# KiCad board Lime_RFE.kicad_pcb (continued)
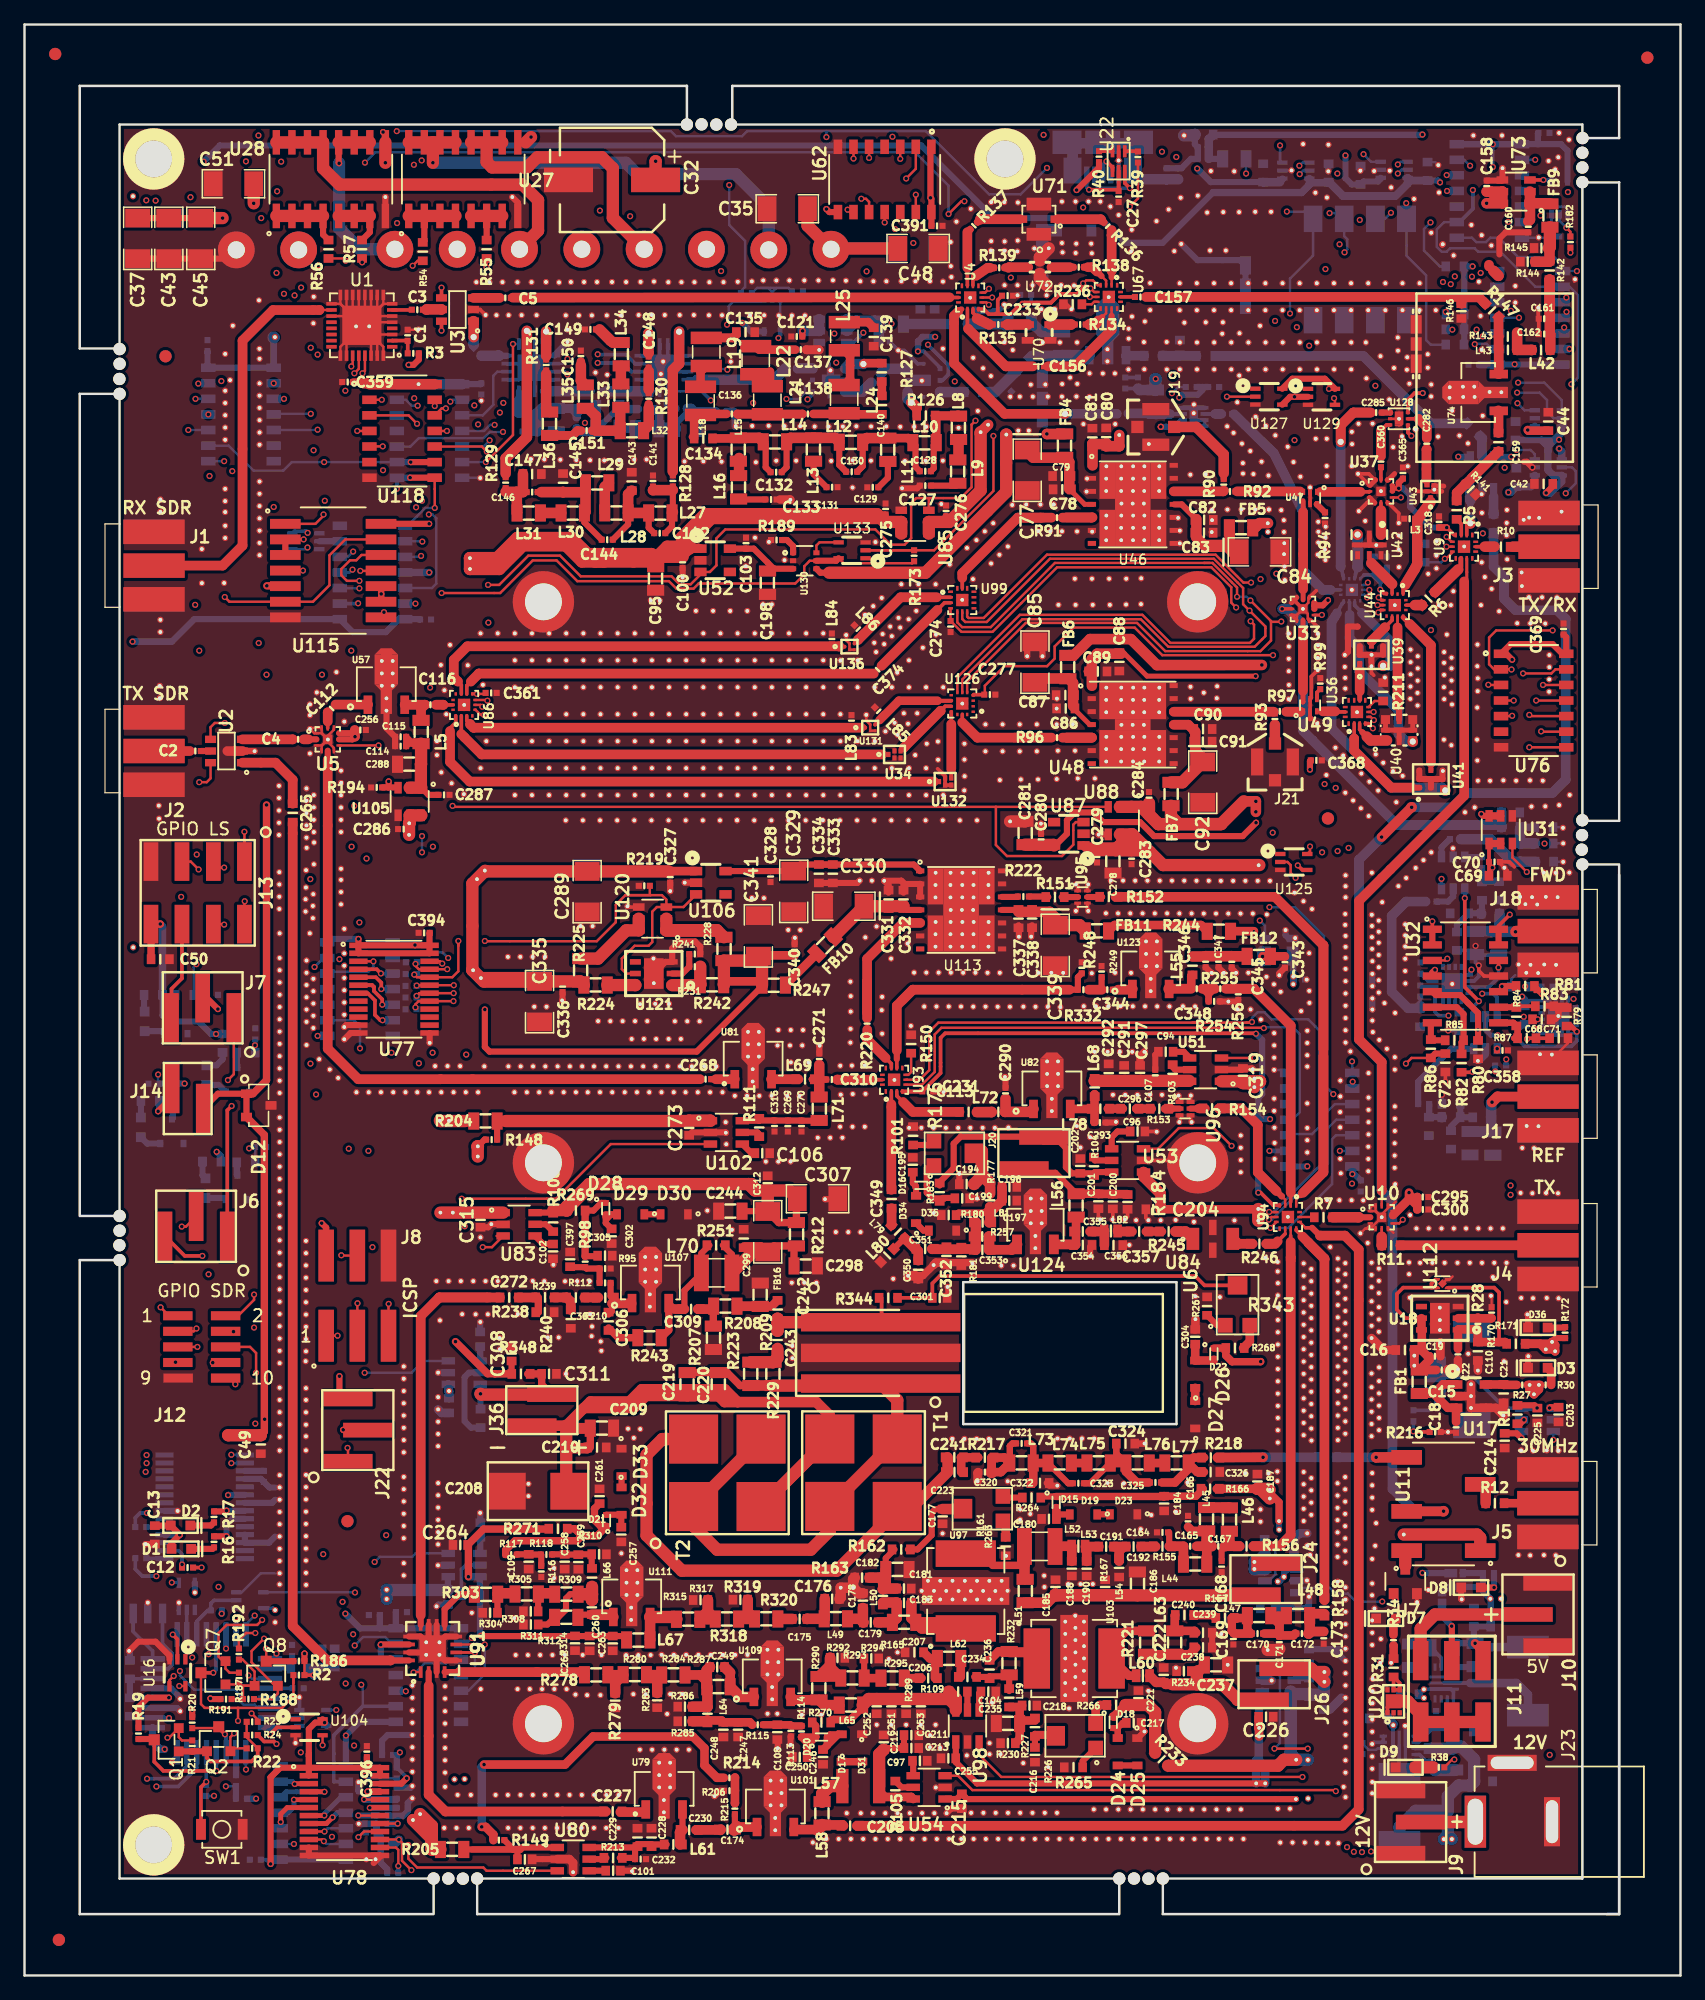
[diagram p0: board, top side]
## Routing (per net, layer and track width the routed paths; a pad name or vN(x,y) marks a point on that pad's centre or on a via; arc(x,y) is an arc through that point) (continued)
  SIG2 w0.2: v1(24.48,120.19) 24.43,120.24 24.43,138.22 24.4,138.22 24.43,138.25 24.43,138.88 v1(23.94,139.37) ; v1(27.88,91.03) 27.88,83.97 27.35,83.43 v1(27.35,75.56) 27.35,73.53 27.55,73.33 27.55,70.58 27.35,70.38 27.35,56.15 28.01,55.49 28.01,50.16 27.09,49.25 27.09,46.91 26.94,46.76 v1(26.94,31.21) 26.94,30.15 27.6,29.48 27.6,23.85 v1(27.45,23.69) ; v1(108.27,72.84) 107.76,72.33 106.22,72.33 105.78,72.77 v1(105.78,91.54) 105.78,92.78 105.32,93.24 105.32,96.43 v1(105.99,97.1) ; 32.4,116.89 v1(32.43,116.86) ; 32.4,116.89 v1(32.43,116.86) ; 32.4,116.89 v1(32.4,120.19) 32.4,120.54 32.12,120.82 32.12,122.7 v1(31.49,123.34) ; v1(32.43,116.86) 32.4,116.84 v1(32.43,116.86) ; v1(32.43,116.86) 33.09,116.2 33.09,115.18 32.4,114.5 32.4,113.79 32.83,113.36 32.83,111.02 32.4,110.59 v1(32.4,92.86)
  B w0.2: 25.21,15.79 25.22,15.8 U92.9 ; v1(123.64,101.39) 123.64,101.37 123.67,101.37 ; v1(126.1,129.69) 126.64,130.22 126.64,136.95 125.95,137.64 U119.9 123.16,137.64 120.31,140.48 118.51,140.48 118.23,140.76 116.22,140.76 115.94,140.48 115.54,140.48 115.13,140.89 115.13,142.29 115.74,142.9 U68.9 ; v1(27.35,75.56) 27.35,77.36 26.87,77.85 U75.9 ; U90.9 108.27,72.3 v1(108.27,72.84) ; U117.9 16.63,124.68 18.66,122.65 21.1,122.65 21.79,123.34 v1(24.43,123.34) U60.9 ; v1(32.43,116.86) 32.4,116.89 U116.9 ; v1(26.94,31.21) 26.93,31.23 U14.4 ; v1(27.45,23.69) 27.58,23.57 27.58,21.94 ; v1(32.4,91.54) v1(32.4,92.86)
  B w0.3: U92.9 26.2,15.79 25.21,15.79 25.21,19.58 27.58,21.94 U89.9 ; v1(118.08,145.51) 118.08,143.99 116.98,142.9 U68.9
  B w0.5: U60.9 v1(31.49,123.34)
/FAN/FAN_POWER_5V: length 11
  T w0.5: C225.1 123.11,46.47 R1.2
  B w0.3: U110.6 120.68,46.23 118.15,48.76 P1.2
  B w0.5: v1(123.31,46.25) 123.29,46.23 U110.6
/FAN_EN: length 133.5
  SIG1 w0.2: 110.23,13.89 109.48,13.89 ; 109.48,13.89 106.57,13.89 105.5,14.96 75.25,14.96 74.44,14.14 65.19,14.14 61.51,17.83 56.63,17.83 55.26,19.2 46.3,19.2 44.26,17.17 38.75,17.17 36.85,19.07 33.6,19.07 32.48,20.19 32.48,22.68 32,23.16 v1(31.08,23.16) ; 109.48,13.89 112.29,13.89 113.77,15.38 119.08,15.38 119.92,16.21 123.58,16.21 124.34,16.98 v1(124.34,17.98)
  SIG2 w0.2: v1(124.34,17.98) 125.25,17.98 126.13,18.85 126.13,43.02 125.49,43.66 v1(124.63,43.66)
  B w0.2: v1(124.63,43.66) 124.64,43.66 U110.3 ; v1(31.08,23.16) 31.03,23.21 U89.10
/FAN_SENSE: length 133.1
  T w0.3: v1(113.23,44.34) 113.28,44.29 R216.2
  SIG1 w0.3: v1(113.23,44.34) 113.25,44.34 v1(113.23,44.34) ; v1(113.23,44.34) 113.23,43.2 113.1,43.07 108.65,43.07 107.79,42.21 102.02,42.21 101.26,42.97 92.7,42.97 91.43,41.7 37.05,41.7 ; 37.05,41.7 35.25,41.7 35.2,41.65 ; 37.05,41.7 18.05,41.7 17.39,41.04 v1(9.87,41.04)
  SIG2 w0.3: v1(11.78,20.98) 11.24,21.51 11.24,23.23 11.42,23.41 11.42,40.53 10.91,41.04 v1(9.87,41.04)
  B w0.3: v1(11.78,20.98) 11.76,21 U12.2 ; R235.2 v1(113.23,44.34)
/GAMMA_DB: length 109.5
  T w0.2: v1(112.62,74.32) 113.08,74.78 R86.2 ; v1(16.58,72.97) 17.06,73.45 J7.1
  T w0.5: R86.2 115.01,75.13 C72.1
  SIG1 w0.2: 102.35,72.89 104.26,72.89 105.21,73.85 108.88,73.85 109.35,74.32 v1(112.62,74.32) ; 102.35,72.89 101.72,72.89 101.54,73.07 ; 102.35,72.89 101.57,72.89 100.25,71.57 96.31,71.57 94.86,73.02 81.04,73.02 79.49,71.47 70.33,71.47 69.41,72.39 57.96,72.39 57.64,72.7 27.11,72.7 26.26,71.85 24.92,71.85 24.39,72.39 19.98,72.39 19.4,72.97 v1(16.58,72.97)
/GPIO4: length 40.3
  T w0.2: 18.73,22.53 18.75,22.51 ; v1(19.53,27.45) 18.51,26.44 18.51,25.52 20.42,23.61 Q8.S 20.65,22.99 20.19,22.53 R188.1 ; v1(14.09,51.23) J12.5
  SIG1 w0.2: v1(15,26.18) 16.02,27.2 19.27,27.2 v1(19.53,27.45)
  SIG2 w0.2: v1(15,26.18) 14.88,26.31 14.88,32.37 15.05,32.55 15.05,33.75 14.09,34.72 v1(14.09,51.23)
/GPIO5: length 43.1
  T w0.2: v1(26.33,43) 26.37,42.96 J22.1 ; v1(19.37,28.98) 18.97,28.57 16.48,28.57 15.82,27.91 15.82,25.98 16.17,25.62 Q7.S 16.39,25 16.71,24.68 R187.1 ; v1(18.88,49.12) 18.88,50.73 18.38,51.23 J12.6
  T w0.5: Q7.S 16.54,25.62
  SIG1 w0.2: v1(18.81,44.98) 18.81,44.42 19.88,43.35 23.88,43.35 24.24,43 v1(26.33,43)
  SIG2 w0.2: v1(19.37,28.98) 19.37,44.42 v1(18.81,44.98) 18.88,45.04 v1(18.88,49.12)
/GPIO_ADC1: length 37.3
  T w0.2: v1(14.19,90.14) 13.55,90.78 J13.3
  T w0.3: J6.3 13.06,58.64 v1(14.5,58.64)
  SIG2 w0.2: v1(14.5,58.64) 14.65,58.8 14.65,75.55 14.36,75.84 14.36,78.34 14.65,78.63 14.65,82.93 14.19,83.38 v1(14.19,90.14)
/GPIO_ADC2: length 8
  T w0.3: J13.6 12.84,81.27 11.98,80.41 J7.3
/GPIO_Subsystem/DIR_GPIO0: length 29
  SIG1 w0.2: v1(115.87,135.58) 115.87,135.89 115.46,136.29 103.61,136.29 103.17,135.85 v1(103.17,135.45)
  SIG2 w0.2: v1(103.95,146.81) 102.91,145.77 v1(102.91,143.76)
  B w0.2: v1(102.91,143.76) 104.45,143.76 SW2.1 105.05,140.18 103.17,138.3 v1(103.17,135.45) ; v1(103.95,146.81) 104.25,147.1 U23.5
/GPIO_Subsystem/DIR_GPIO1: length 36
  SIG1 w0.2: v1(118.71,138.76) 118.71,139.52 118.26,139.97 117.62,139.97 117.11,139.47 115.14,139.47 114.18,140.43 v1(107.61,140.43) ; v1(107.03,146.86) 107.69,146.2 111.3,146.2 v1(111.96,146.86) ; v1(118.38,134.13) v1(116.4,134.13)
  SIG2 w0.2: v1(118.38,134.13) 118.13,134.39 118.13,135.48 119.14,136.5 119.14,138.32 v1(118.71,138.76) ; v1(116.4,134.13) 116.38,134.13 ; v1(106.39,143.63) 106.65,143.63 107.03,144.01 v1(107.03,146.86)
  B w0.2: v1(107.61,140.43) 107.84,140.66 107.84,141.5 107.59,141.75 SW2.2 107.12,143.63 v1(106.39,143.63) ; R59.1 115.88,134.13 v1(116.4,134.13) ; 112.26,147.16 v1(111.96,146.86) 112.26,147.16 ; 112.26,147.16 U24.5 ; 112.26,147.16 112.95,147.16
/GPIO_Subsystem/DIR_GPIO2: length 36.9
  SIG1 w0.2: v1(120.95,142.92) 119.04,142.92 118.15,142.03 116.86,142.03 116.02,142.87 v1(114.62,142.87) 112.18,142.87 v1(111.4,143.66)
  SIG2 w0.2: v1(120.95,142.92) 120.52,142.49 120.52,129.81 121.33,129 v1(121.68,129)
  B w0.2: v1(121.68,129) 123.51,129 124.12,128.39 124.12,127.45 124.67,126.91 125.52,126.91 ; v1(111.4,143.66) 110.9,143.16 SW2.3 ; v1(114.62,142.87) 114.09,142.34 114.09,140.58 115.38,139.29 R60.1
/GPIO_Subsystem/DIR_GPIO3: length 51.6
  SIG1 w0.2: v1(112.64,144.45) 113.66,143.43 v1(123.59,143.43)
  SIG2 w0.2: v1(123.59,143.43) 123.59,143.35 124.71,142.24 124.71,130.09 125.65,129.15 v1(125.65,120.8)
  B w0.2: v1(125.65,120.8) 126.46,121.61 126.46,122.6 126.15,122.91 125.52,122.91 ; R61.1 114.64,132.91 114.27,133.28 114.27,138.55 112.67,140.15 SW2.4 112.64,143.19 v1(112.64,144.45)
/GPIO_Subsystem/GPIO0: length 221.5
  T w0.2: v1(31.64,139.34) 32.05,139.75 R54.2 ; v1(11.09,54.45) 11.78,53.77 J12.1 11.75,53.77
  SIG1 w0.2: v1(13.05,72.69) 14.42,71.32 21.23,71.32 21.71,71.8 v1(23.77,71.8) ; v1(20.54,138.76) 31.06,138.76 v1(31.64,139.34) ; v1(93.9,148.2) 94.73,148.2 95.06,148.53 101.74,148.53 v1(102.35,149.14)
  SIG2 w0.2: v1(83.08,150.01) 93.59,150.01 93.9,149.7 v1(93.9,148.2) ; 20.78,109.43 20.36,109.85 20.36,114.12 19.8,114.68 19.8,137.21 20.54,137.94 v1(20.54,138.76) 20.54,143.38 21.2,144.04 21.2,147.54 v1(20.92,147.82) ; 20.78,109.43 20.87,109.34 ; 20.78,109.43 21.71,108.5 21.71,72.84 22.75,71.8 v1(23.77,71.8) ; v1(11.09,54.45) 11.35,54.71 11.35,72.97 v1(10.89,73.43)
  PWR w0.2: v1(20.92,147.82) 22.83,149.73 30.88,149.73 31.51,150.36 49.46,150.36 50.22,149.6 61.11,149.6 61.87,150.36 73.27,150.36 78.48,145.16 81.58,145.16 82.8,146.38 82.8,147.65 83.08,147.93 v1(83.08,150.01)
  B w0.2: 12.03,72.68 R46.2 12.12,72.69 ; v1(10.89,73.43) 10.89,72.8 R42.1 ; U23.3 102.35,147.94 v1(102.35,149.14) 102.35,148.05 102.35,148.05
  B w0.3: 12.03,72.68 R46.2
  B w0.5: R42.1 12.03,72.68 R46.2 12.12,72.69 v1(13.05,72.69)
/GPIO_Subsystem/GPIO0_LS: length 154.8
  T w0.2: v1(17.93,93.21) J13.1
  SIG1 w0.2: v1(18.05,147.85) 18.64,148.43 27.73,148.43 29.36,146.81 33.5,146.81 35.32,148.64 71.72,148.64 77.18,143.18 82.39,143.18 85.31,146.1 86.07,146.1 86.28,145.89 86.28,145.31 86.5,145.08 90.9,145.08 91.55,145.74 100.93,145.74 102.94,147.75 103.68,147.75 v1(103.93,147.49)
  SIG2 w0.2: v1(18.05,147.85) 16.35,147.85 15.18,146.68 15.18,138.81 17.49,136.5 17.49,109.88 17.93,109.44 17.93,102.66 17.35,102.09 17.35,96.13 17.93,95.56 v1(17.93,93.21)
  B w0.2: v1(103.93,147.49) 104.19,147.75 U23.4
/GPIO_Subsystem/GPIO1: length 199.6
  T w0.2: v1(37.66,139.21) 37.67,139.23 R55.2 ; v1(18.71,55.49) 18.71,55.06 17.42,53.77 J12.2
  SIG1 w0.2: v1(70.96,142.34) 69.59,142.34 69.06,142.87 39.11,142.87 37.66,141.42 v1(37.66,139.21) ; 80.36,143.88 78.58,143.88 72.61,149.86 v1(70.76,149.86) ; 80.36,143.88 80.69,143.88 ; 80.36,143.88 82.16,143.88 85.64,147.37 92.19,147.37 93.72,148.89 99.71,148.89 100.58,149.75 107.84,149.75 v1(109.16,148.43) ; v1(19.09,108.59) 33.61,108.59 35.27,110.26 v1(37.81,110.26)
  SIG2 w0.2: v1(70.76,149.86) 70.76,146.76 70.96,146.55 v1(70.96,142.34) ; v1(19.09,108.59) 19.09,102.27 18.13,101.3 18.13,99.33 19.06,98.41 19.06,87.68 18.79,87.41 v1(18.79,75.81) 19.12,75.48 19.12,66.62 18.71,66.21 v1(18.71,55.49) ; v1(37.66,139.21) 37.38,138.93 37.38,135.97 37.09,135.68 37.09,134.08 37.34,133.83 37.34,129.59 37.85,129.08 37.85,128.28 37.34,127.77 37.34,127.05 37.44,126.94 37.44,126.07 36.63,125.26 36.63,123.48 38.37,121.74 38.37,110.82 v1(37.81,110.26)
  B w0.2: R43.1 18.79,76.27 v1(18.79,75.81) 18.79,75.23 R50.2 ; v1(109.16,148.43) 109.78,147.81 U24.3
/GPIO_Subsystem/GPIO1_LS: length 169.1
  T w0.2: v1(17.95,87.55) 17.93,87.52 J13.8
  SIG1 w0.2: v1(19.07,149.96) 20.21,148.81 29.46,148.81 31.16,147.11 33.38,147.11 35.31,149.04 72.13,149.04 76.11,145.06 76.91,145.06 78.38,143.58 82.29,143.58 85.73,147.02 94.57,147.02 95.73,148.18 106.06,148.18 106.65,147.59 v1(111.96,147.59)
  SIG2 w0.2: v1(19.07,149.96) 19.07,147.85 18.48,147.26 16.58,147.26 15.54,146.22 15.54,139.26 17.79,137.01 17.79,110.24 18.53,109.49 18.53,102.69 17.77,101.93 17.77,96.45 18.55,95.68 18.55,88.15 v1(17.95,87.55)
  B w0.2: v1(111.96,147.59) 112.17,147.81 U24.4
/GPIO_Subsystem/GPIO2: length 213.7
  T w0.2: v1(26.18,139.75) 25.99,139.94 R56.2 ; v1(14.01,52.73) 13.78,52.5 J12.3
  SIG1 w0.2: 74.59,135.81 76.62,133.78 77.44,133.78 79.33,131.88 80.83,131.88 80.99,132.04 88.87,132.04 ; 74.59,135.81 74.47,135.94 ; 74.59,135.81 74.26,136.14 43.25,136.14 42.99,135.89 42.99,135.28 41.92,134.2 41.92,132.93 40.54,131.54 34.77,131.54 32.38,129.15 v1(26.15,129.15) ; v1(14.01,82.42) 21.02,82.42 21.94,83.33 25.16,83.33 v1(25.67,82.82) ; 88.87,132.04 89.19,131.72 96.96,131.72 97.67,131.02 97.67,130.76 98.72,129.71 100.08,129.71 102.29,127.5 106.69,127.5 107.65,128.47 110.41,128.47 111.14,129.2 111.8,129.2 112.53,128.47 114.08,128.47 114.52,128.02 121.59,128.02 v1(121.71,128.14) ; 88.87,132.04 88.71,132.04
  SIG2 w0.2: v1(26.18,139.75) 26.15,139.72 26.15,132.53 25.82,132.2 25.82,130.07 26.15,129.74 v1(26.15,129.15) 26.15,115.59 24.82,114.26 24.82,104.88 25.44,104.26 25.44,99.12 25.15,98.83 25.15,83.35 v1(25.67,82.82) ; v1(14.01,82.42) v1(14.01,52.73)
  B w0.2: v1(14.01,82.42) 13.79,82.19 R47.2 ; v1(121.71,128.14) 122.29,127.56 U25.3
  B w0.5: R47.2 R44.1
/GPIO_Subsystem/GPIO2_LS: length 169.6
  T w0.2: v1(16.27,90.29) 15.89,90.29 J13.2
  SIG1 w0.2: 118.81,130.35 119.35,129.81 v1(121.76,129.81) ; 118.81,130.35 112.09,130.35 114.41,130.35 ; 118.81,130.35 114.41,130.35 ; 114.41,130.35 110.75,130.35 109.26,131.84 100.05,131.84 99.66,132.24 89.62,132.24 88.84,133.02 87.92,133.02 87.49,132.58 82.14,132.58 80.02,134.69 76.37,134.69 74.62,136.44 42.64,136.44 42.28,136.09 42.28,135.1 41.62,134.44 41.62,133.24 40.28,131.9 34.31,131.9 32.78,130.37 30.7,130.37 30.09,129.76 25.27,129.76 24.22,130.81 16.35,130.81 16.05,130.5 v1(16.05,129.94)
  SIG2 w0.2: v1(16.27,90.29) 15.72,90.85 15.72,114.69 16.3,115.27 16.3,116.29 15.72,116.87 15.72,129.61 v1(16.05,129.94)
  B w0.2: v1(121.76,129.81) 123.89,129.81 125.32,128.38 U25.4
/GPIO_Subsystem/GPIO3: length 244.7
  T w0.2: v1(75.33,143.56) 76.37,144.6 v1(76.62,144.6) ; 27.51,139.63 v1(27.53,139.62) R57.2 27.51,139.63
  T w0.5: v1(25.98,44.47) 26,44.45 J22.2
  SIG1 w0.2: 26.43,67.41 27.83,67.41 v1(28.03,67.2) ; 26.43,67.41 v1(26.43,67.38) ; 26.43,67.41 v1(26.43,67.38) ; 26.43,67.41 v1(26.43,67.38) ; 26.43,67.41 v1(18.31,67.41) ; v1(93.64,130.37) 97.53,130.37 98.6,129.31 99.84,129.31 101.98,127.17 107.5,127.17 108.31,127.99 113.89,127.99 114.7,127.17 115.74,127.17 116.39,126.52 117.46,126.52 119.65,124.33 v1(121.63,124.33)
  SIG2 w0.2: v1(76.62,144.6) 77.21,145.18 82.24,145.18 85.69,148.64 v1(92.73,148.64) 92.27,148.18 92.27,143.86 92.94,143.19 92.94,138.73 93.64,138.02 v1(93.64,130.37) ; 28.29,139.39 28.29,147.21 v1(27.75,147.75) ; 28.29,139.39 28.29,137.54 29.56,136.27 29.56,130.09 28.59,129.13 28.59,113.18 27.96,112.54 27.96,96.07 28.31,95.72 28.31,91.64 28.52,91.44 28.52,83.94 27.78,83.21 27.78,76.02 28.03,75.76 28.03,73.78 28.54,73.27 28.54,69.74 28.03,69.24 v1(28.03,67.2) ; 28.29,139.39 27.75,139.39 v1(27.53,139.62) ; v1(26.43,67.38) 26.69,67.13 26.69,51.84 26.23,51.38 26.23,48.13 25.98,47.87 v1(25.98,44.47)
  B w0.2: v1(27.75,147.75) 28.59,148.59 72.61,148.59 75.33,145.87 v1(75.33,143.56) ; U26.3 123.12,123.98 122.78,124.33 v1(121.63,124.33) ; v1(18.31,67.41) 18.43,67.53 R45.1 18.81,66.27 R51.2
/GPIO_Subsystem/GPIO3_CONN: length 15.6
  T w0.2: v1(17.04,52.47) 17.01,52.5 J12.4
  T w0.5: v1(25.67,48.84) 25.67,47.42 26.1,46.99 J22.3 26.03,47.33
  SIG1 w0.2: v1(17.04,52.47) 17.04,49.5 18.08,48.46 19.27,48.46 19.65,48.84 v1(25.67,48.84)
/GPIO_Subsystem/GPIO3_LS: length 152.3
  T w0.2: v1(16.27,85.64) 16.23,85.69 J13.7
  SIG1 w0.2: v1(120.67,122.88) 116.3,122.88 115.64,123.54 104.46,123.54 102.63,121.71 98.75,121.71 96.94,123.52 86.91,123.52 85.23,121.84 65.52,121.84 64.97,121.28 40.82,121.28 40.19,120.65 36.09,120.65 35.45,121.28 31.41,121.28 30.96,121.74 29.58,121.74 29.1,121.25 17.87,121.25 16.93,122.19 v1(16.93,122.6)
  SIG2 w0.2: v1(16.27,85.64) 16.93,86.3 v1(16.93,122.6) ; v1(120.67,122.88) 121.43,122.88 122.93,124.38 125.06,124.38 v1(125.11,124.43)
  B w0.6: v1(125.11,124.43) 125.32,124.22 U26.4
/GPIO_Subsystem/RELAY_0: length 54.5
  T w1: U27.13 U27.14 33.29,149.4 ; 33.29,149.4 U27.15 U27.16 ; 33.29,149.4 v1(33.29,147.73)
  B w0.5: 49.03,147.73 49.95,146.81 57.98,146.81 60.67,144.12 J16.7
  B w1: J16.7 60.67,144.12 57.98,146.81 49.95,146.81 49.03,147.73 v1(33.29,147.73)
/GPIO_Subsystem/RELAY_1: length 23
  T w1: U27.11 U27.10 ; U27.11 U27.12 ; U27.11 37.67,147.8 38.12,147.35 40.98,147.35 41.8,148.18 47.07,148.18 47.96,147.29 47.96,143.24 J16.5
/GPIO_Subsystem/RELAY_2: length 31.7
  T w0.3: U28.15 U28.14 U28.13
  T w1: J16.3 41.86,142.2 41.86,144.69 40.59,145.96 25.67,145.96 24.34,147.29 U28.13 U28.14 U28.15 U28.16
/GPIO_Subsystem/RELAY_3: length 14.8
  T w0.5: v1(25.65,147.7) 25.61,147.73 U28.12
  T w1: U28.10 U28.11 U28.12
  B w1: v1(25.65,147.7) 25.65,142.39 27.35,140.69 J16.1
/LNA_EN: length 281.9
  T w0.2: R182.1 v1(126.03,140.41)
  SIG1 w0.2: v1(13.53,144.93) 13.84,145.23 19.42,145.23 19.8,144.85 26.92,144.85 ; 26.92,144.85 28.24,144.85 ; 26.92,144.85 28.44,144.85 29.02,144.27 45.33,144.27 47.01,145.94 69.31,145.94 74.82,140.43 ; 106.52,141.63 89.1,141.63 87.2,139.73 76.67,139.73 75.96,140.43 74.82,140.43 ; 106.52,141.63 107.31,141.63 ; 106.52,141.63 113.66,141.63 114.93,140.36 115.79,140.36 116.3,140.86 118.79,140.86 119.37,141.45 122.65,141.45 123.69,140.41 v1(126.03,140.41) ; 74.82,140.43 69.33,145.92 v1(57.45,145.92)
  SIG2 w0.2: v1(13.53,144.93) 12.87,144.27 12.87,135.69 13.93,134.63 13.93,131.25 12.87,130.19 12.87,127.71 12.51,127.35 12.51,121.17 12.87,120.81 12.87,91.28 13.53,90.62 13.53,32.74 13.18,32.38 13.18,19.76 11.85,18.44 v1(11.42,18.44)
  B w0.2: v1(57.45,145.92) 57.45,142.67 58.74,141.37 58.74,137.61 58.39,137.26 R175.1
  B w0.6: v1(11.42,18.44) 11.07,18.44 10.44,19.06 U12.1
/MCU/DATA_5V: length 2
  B w0.3: U12.10 U15.2
/MCU/DATA_CLK_5V: length 2.5
  T w0.3: v1(12.08,27.78) 12.46,27.4 U16.2
  B w0.3: v1(12.08,27.78) 12.1,27.8 U12.9
/MCU/DATA_RESET_5V: length 5.3
  B w0.3: U14.2 15.45,30.58 15.19,30.32 R18.1 14.94,29.75 14.04,28.85 U12.11
/MCU/GPIO4_MCU: length 7.7
  T w0.2: v1(19.68,26.64) 19.7,26.61 Q8.D
  T w0.5: R186.1 21.9,25.61 Q8.D
  SIG1 w0.2: v1(19.68,26.64) v1(16.43,26.64)
  B w0.2: v1(16.43,26.64) U12.14
/MCU/GPIO5_MCU: length 26
  T w0.2: Q7.D 14.39,22.12 14.69,21.81 17.4,21.81 ; 17.4,21.81 20.99,21.81 21.92,22.74 R2.1 21.92,23.81 ; 17.4,21.81 v1(17.4,20.75)
  T w0.3: Q7.D v1(15.39,24.67)
  SIG2 w0.2: v1(18.88,14.41) 18.88,19.27 v1(17.4,20.75)
  B w0.3: v1(15.39,24.67) 15.61,24.9 U12.13
  B w0.5: R100.2 v1(18.88,14.41)
/MCU/MISO: length 33.8
  T w0.2: J8.1 24.59,52.14 v1(25.52,52.14)
  SIG1 w0.2: v1(25.52,52.14) 23.98,52.14 23.73,52.4 19.12,52.4 v1(18.71,52.8)
  SIG2 w0.2: v1(18.71,52.8) 18.2,52.29 18.2,44.42 18.76,43.86 v1(18.76,29.33)
  B w0.2: v1(18.76,29.33) 18.05,28.62 U12.16
/MCU/MOSI: length 41
  T w0.2: v1(25.82,58.69) 25.85,58.67 J8.4
  SIG1 w0.2: v1(17.24,29.18) 18.51,30.45 v1(25.93,30.45)
  SIG2 w0.2: v1(25.93,30.45) 25.42,30.96 25.42,47.46 25.21,47.67 25.21,51.07 26.13,51.99 26.13,52.65 25.82,52.95 v1(25.82,58.69)
  B w0.2: v1(17.24,29.18) U12.15
/MCU/RESET: length 63.2
  T w0.2: v1(29.69,54.73) 29.67,54.72 J8.5
  T w0.3: v1(14.81,15.78) 14.38,15.35 SW1.2 ; C12.1 v1(14.43,33.24)
  SIG1 w0.2: v1(29.48,35.89) 28.62,35.02 24.19,35.02 ; 24.1,35.02 24.19,35.02 ; 24.19,35.02 24.03,35.02 23.29,34.28 15.47,34.28 v1(14.43,33.24)
  SIG2 w0.2: v1(29.48,35.89) 28.97,36.39 28.97,49.5 29.69,50.21 v1(29.69,54.73)
  SIG2 w0.3: v1(14.81,15.78) 14.43,16.16 v1(14.43,33.24)
  B w0.3: U12.29 14.81,18.18 v1(14.81,15.78) R13.2
/MCU/RX: length 1.5
  B w0.3: U13.1 11.38,34.01 R15.1
/MCU/RX_SW_0_MCU: length 2.9
  T w0.3: v1(20.02,19.66) 20.59,20.23 U104.2
  B w0.3: v1(20.02,19.66) 20.01,19.67 U12.24
/MCU/RX_SW_1_MCU: length 2.4
  B w0.3: U12.23 U108.2
/MCU/SCK: length 38.8
  T w0.2: v1(27.15,54.78) 27.13,54.77 J8.3
  SIG1 w0.2: v1(20.54,26.23) 20.54,27.1 21.25,27.81 v1(26.79,27.81)
  SIG2 w0.2: 26.48,30.09 26.54,30.04 ; 26.48,30.09 26.79,29.79 v1(26.79,27.81) ; 26.48,30.09 26.48,30.6 25.82,31.26 25.82,43.51 26.48,44.17 26.48,47.01 26.64,47.16 26.64,50.47 27.15,50.97 v1(27.15,54.78)
  B w0.2: v1(20.54,26.23) 20.12,25.81 U12.17
/MCU/SCL_MCU: length 10
  T w0.3: v1(15.64,16.67) 11.32,16.67 10.57,17.42 Q1.D
  T w0.5: Q1.D 10.52,19.27 R19.1
  B w0.3: v1(15.64,16.67) 15.63,16.68 U12.28
/MCU/SDA_MCU: length 4.5
  T w0.2: Q2.D 15.71,20.16 R20.1
  T w0.3: v1(16.34,19.66) 15.83,20.16 Q2.D
  B w0.3: v1(16.34,19.66) 16.43,19.56 U12.27
/MCU/TX: length 1.5
  B w0.3: U13.5 11.39,36.55 R14.1
/PA_ENn: length 19.9
  SIG1 w0.2: v1(27.75,16.28) 26.66,17.37 v1(12.02,17.37)
  B w0.2: v1(27.75,16.28) 27.98,16.06 R168.1
  B w0.5: v1(12.02,17.37) 12.43,17.78 U12.32
/PFWDF_DB: length 125
  T w0.3: v1(122.49,76.32) 122.55,76.39 R87.2 C71.1 ; v1(16.88,70.86) 16.53,70.51 J6.1
  SIG1 w0.3: 115.36,72.31 118.4,72.31 118.96,72.87 118.96,74.15 119.28,74.47 120.15,74.47 120.52,74.1 121.87,74.1 122.49,74.72 v1(122.49,76.32) ; 115.36,72.31 114.8,72.31 ; 115.36,72.31 108.86,72.31 108.68,72.13 107.61,72.13 107.38,72.36 101.69,72.36 100,70.66 92.54,70.66 92.19,71.01 85.31,71.01 84.19,69.9 82.8,69.9 81.81,70.89 69.91,70.89 69.08,70.06 61.33,70.06 60.51,70.89 16.91,70.89 v1(16.88,70.86)
/RX_H/f4/IN: length 3.9
  T w0.2: 87.85,135.15 88.17,135.47 U67.9 ; 87.25,134.55 86.81,134.55
  T w0.5: 86.81,134.55 87.25,134.55 R134.2 ; 87.85,135.15 87.55,134.85
  T w0.86: 87.55,134.85 87.25,134.55 86.81,134.55 86.97,134.55
/RX_H/f5/IN: length 4.5
  T w0.2: U67.2 88.62,138.4
  T w0.5: 88.62,138.4 88.62,138.9
  T w0.79: 88.62,138.9 88.62,141.82 88.62,141.83 R136.2
/RX_H/f6/IN: length 3.4
  T w0.2: 87.8,138.5 88.17,138.12 U67.3 ; 87.08,139.22 86.69,139.22
  T w0.5: 87.8,138.5 87.42,138.88
  T w0.6: R138.2 87.08,139.22
  T w0.79: 87.42,138.88 87.08,139.22 86.69,139.22
/RX_H/FSEL_OUT_V2_2V5: length 42.6
  T w0.2: v1(86.9,137.5) 87.2,137.2 U67.5
  SIG1 w0.2: v1(86.9,137.5) 87,137.6 89.51,137.6 90.38,138.48 99.15,138.48 100.81,140.14 106.39,140.14 107.56,138.97 114.42,138.97 114.91,138.48 v1(116.6,138.48)
  SIG2 w0.2: v1(115.94,146.73) 116.88,146.73 117.29,146.32 117.29,139.67 116.6,138.98 v1(116.6,138.48)
  B w0.2: U68.12 116.74,146.73 v1(115.94,146.73)
/RX_H/FSEL_OUT_V3_2V5: length 40.5
  T w0.2: U67.6 v1(86.85,136.8)
  SIG1 w0.2: v1(86.85,136.8) 87.35,136.3 89.7,136.3 90.53,137.13 99.86,137.13 100.42,137.69 100.42,138.12 101.85,139.55 106.45,139.55 107.44,138.57 114.17,138.57 114.71,138.02 v1(115.64,138.02)
  SIG2 w0.2: v1(115.97,145.44) 116.4,145 116.4,141.02 115.64,140.25 v1(115.64,138.02)
  B w0.2: U68.11 v1(115.97,145.44)
/RX_H/LNA_EN_2V5: length 4.2
  B w0.2: U69.1 125.79,143.95 125.57,144.17 U68.5
/RX_H/LNA_H/LNA_EN: length 2
  T w0.3: v1(123.82,146.33) U73.3
  B w0.2: 124.38,146.33 U69.4
  B w0.3: U69.4 124.38,146.33 v1(123.82,146.33)
/RX_H/LNA_H/RF_OUT: length 28.5
  T w0.79: 117.4,136.76 117.37,136.8 C157.2 ; 117.4,136.76 117.14,136.5 R146.2 ; 117.4,136.76 118.58,136.76 R147.1
/RX_H/RF_0_OUT: length 4.6
  T w0.3: 76.87,137.75 76.86,137.76 76.86,139.18
  T w0.6: R137.1 76.86,142.07
  T w0.79: 76.86,142.07 76.86,139.18
/RX_H/RF_1_OUT: length 3.7
  T w0.3: 78.51,139.17 77.57,138.52 77.32,138.43 77.32,137.75
  T w0.6: R139.1 78.71,139.17
  T w0.79: 77.57,138.52 78.51,139.17 78.71,139.17
/RX_H/RF_2_OUT: length 2.5
  T w0.3: 77.93,134.9 77.32,135.51 77.32,135.8
  T w0.5: R135.1 78.63,134.55
  T w0.86: 77.65,135.03 78.63,134.55
/RX_H/RF_3_OUT: length 8.2
  T w0.3: 76.93,134.2 76.93,134.34 76.87,134.41 U4.2
  T w0.79: 76.94,134.19 76.93,134.2 79.99,131.14 C156.1
/RX_H/RF_IN: length 8.5
  T w0.79: R141.2 116.76,120.83 R5.2 ; 117.5,121.55 C159.2 118.01,122.06 117.99,122.06
  T w0.86: R141.2 117.5,121.55
/RX_L/f1/IN: length 14.1
  T w0.5: 52.84,122.58 52.85,122.57 R128.1
  T w0.86: 52.84,122.58 52.84,130.84 53.36,131.36 TRANS_VIA#9.1
  B w0.2: TRANS_VIA#9.1 53.09,133.69 53.09,132.96
  B w0.86: 53.36,132.9 TRANS_VIA#9.1
/RX_L/f1/OUT: length 13.7
  T w0.5: R129.2 39.22,122.41
  T w0.86: 39.22,122.41 39.22,123.64 40.95,125.37 TRANS_VIA#12.1
  B w0.4: 40.95,133.66 40.95,133.66 40.95,132.96
  B w0.86: 40.95,133.66 TRANS_VIA#12.1
/RX_L/f2/IN: length 5.4
  T w0.5: TRANS_VIA#10.1 50.88,133.81 R130.1
  T w0.86: 50.88,132.24 50.86,132.26 TRANS_VIA#10.1
  B w0.2: TRANS_VIA#10.1 51.14,133.56 51.14,132.96
  B w0.86: 50.86,132.91 TRANS_VIA#10.1
/RX_L/f2/OUT: length 4.5
  T w0.5: 42.52,132 42.53,132 R131.2
  T w0.86: 42.52,132 TRANS_VIA#11.1
  B w0.3: TRANS_VIA#11.1 42.25,133.71 42.25,132.96
  B w0.86: 42.52,132.91 42.52,133.97
/RX_L/f3/IN: length 1.9
  B w0.5: R132.1 52.84,127.71 ; 52.44,128.38 U59.2
  B w0.7: 52.44,128.38 52.44,128.1 52.84,127.71
/RX_L/f3/OUT: length 2.2
  B w0.5: 40.33,127.35 40.3,127.39 40.33,127.35 ; 40.33,127.35 R133.2 ; U58.12 40.3,128.33
  B w0.86: 40.33,127.35 40.3,127.39 40.3,128.33
/RX_L/FSEL_IN_V1_2V5: length 13
  T w0.2: v1(37.61,123.34) 39.82,125.55 v1(39.82,132.96)
  B w0.2: v1(39.82,132.96) 39.83,132.96 40.3,132.96 ; v1(37.61,123.34) U60.6
/RX_L/FSEL_IN_V2_2V5: length 14.5
  T w0.2: v1(44.26,131.75) 44.26,131.75
  SIG2 w0.2: v1(38.32,126.37) 42.22,126.37 43.22,127.38 43.22,131.24 43.74,131.75 v1(44.26,131.75)
  B w0.2: v1(44.26,131.75) 43.87,131.36 U58.6 ; U60.4 37.46,125.88 37.95,126.37 v1(38.32,126.37)
/RX_L/FSEL_IN_V3_2V5: length 21.7
  SIG1 w0.2: 44.26,125.12 v1(45.69,126.54) 44.26,125.12 ; 44.26,125.12 v1(37.91,125.12)
  SIG2 w0.2: 45.69,129.06 v1(44.26,130.48) 45.69,129.06 ; 45.69,129.06 v1(45.69,126.54)
  B w0.2: v1(37.91,125.12) 37.41,124.61 U60.5 ; v1(44.26,130.48) 44.04,130.71 U58.7
  B w0.3: 44.26,130.47 44.03,130.71 U58.7
/RX_L/FSEL_IN_V4_2V5: length 6.5
  B w0.2: U58.14 38.55,130.71 38.22,130.38 38.22,128.02 37.36,127.15 U60.3
/RX_L/FSEL_OUT_V1_2V5: length 38.9
  T w0.2: U62.5 v1(68.85,148.13)
  SIG1 w0.2: v1(68.65,138.88) 68.62,138.91 v1(56.79,138.91)
  SIG2 w0.2: v1(56.79,138.91) 55.75,138.91 55.09,138.25 55.09,128.82 55.54,128.37 v1(55.95,128.37) ; 68.62,138.91 v1(68.65,138.88) 68.85,139.09 v1(68.85,148.13)
  B w0.2: v1(55.95,128.37) 55.21,129.11 U59.1
  B w0.3: 55.21,129.11 v1(55.95,128.37) 55.95,128.27
/RX_L/FSEL_OUT_V2_2V5: length 48.4
  T w0.2: U62.11 v1(70.12,142.87)
  SIG1 w0.2: v1(49.37,143.38) 49.34,143.4 v1(49.37,143.38) ; v1(49.37,143.38) 69.61,143.38 v1(70.12,142.87)
  SIG1 w0.3: v1(46.72,131.42) 46.73,131.42 46.73,131.41
  SIG2 w0.2: 48.56,142.57 48.56,137.54 ; 48.56,142.57 48.56,137.54 ; 48.56,142.57 v1(49.37,143.38) 48.56,142.57 ; 48.56,137.54 48.1,137.08 48.1,132.05 47.47,131.42 v1(46.72,131.42)
  B w0.3: 49.47,130.71 48.75,131.42 ; 49.47,130.71 48.75,131.42 ; 49.47,130.71 50.19,130.71 ; 48.75,131.42 v1(46.72,131.42) 48.75,131.42
/RX_L/FSEL_OUT_V3_2V5: length 60.8
  T w0.2: v1(68.22,144.8) 68.6,144.8 68.85,144.55 U62.10
  SIG1 w0.2: 47.87,144.8 v1(68.22,144.8) 47.87,144.8 ; 47.87,144.8 v1(46.91,143.84)
  SIG2 w0.2: v1(46.91,143.84) 47.34,143.4 v1(46.91,143.84) ; v1(46.91,143.84) 47.31,143.43 47.31,136.14 46.86,135.68 46.86,132.25 v1(46.73,132.13)
  B w0.3: 46.71,132.1 49.03,132.1 49.78,131.36 50.19,131.36
/RX_L/FSEL_OUT_V4_2V5: length 31.4
  T w0.2: U62.6 v1(67.58,148.08)
  SIG1 w0.2: v1(66.17,131.44) 65.32,131.44 64.81,130.93 57.36,130.93 v1(57.3,130.87)
  SIG2 w0.2: v1(66.17,131.44) 67.58,132.85 v1(67.58,148.08)
  B w0.2: 55.62,131.36 56.05,130.93 ; 55.62,131.36 56.05,130.93 ; 55.62,131.36 U59.14 ; 56.05,130.93 57.23,130.93 v1(57.3,130.87)
